# Allegro board com_v1_p3.brd (continued)
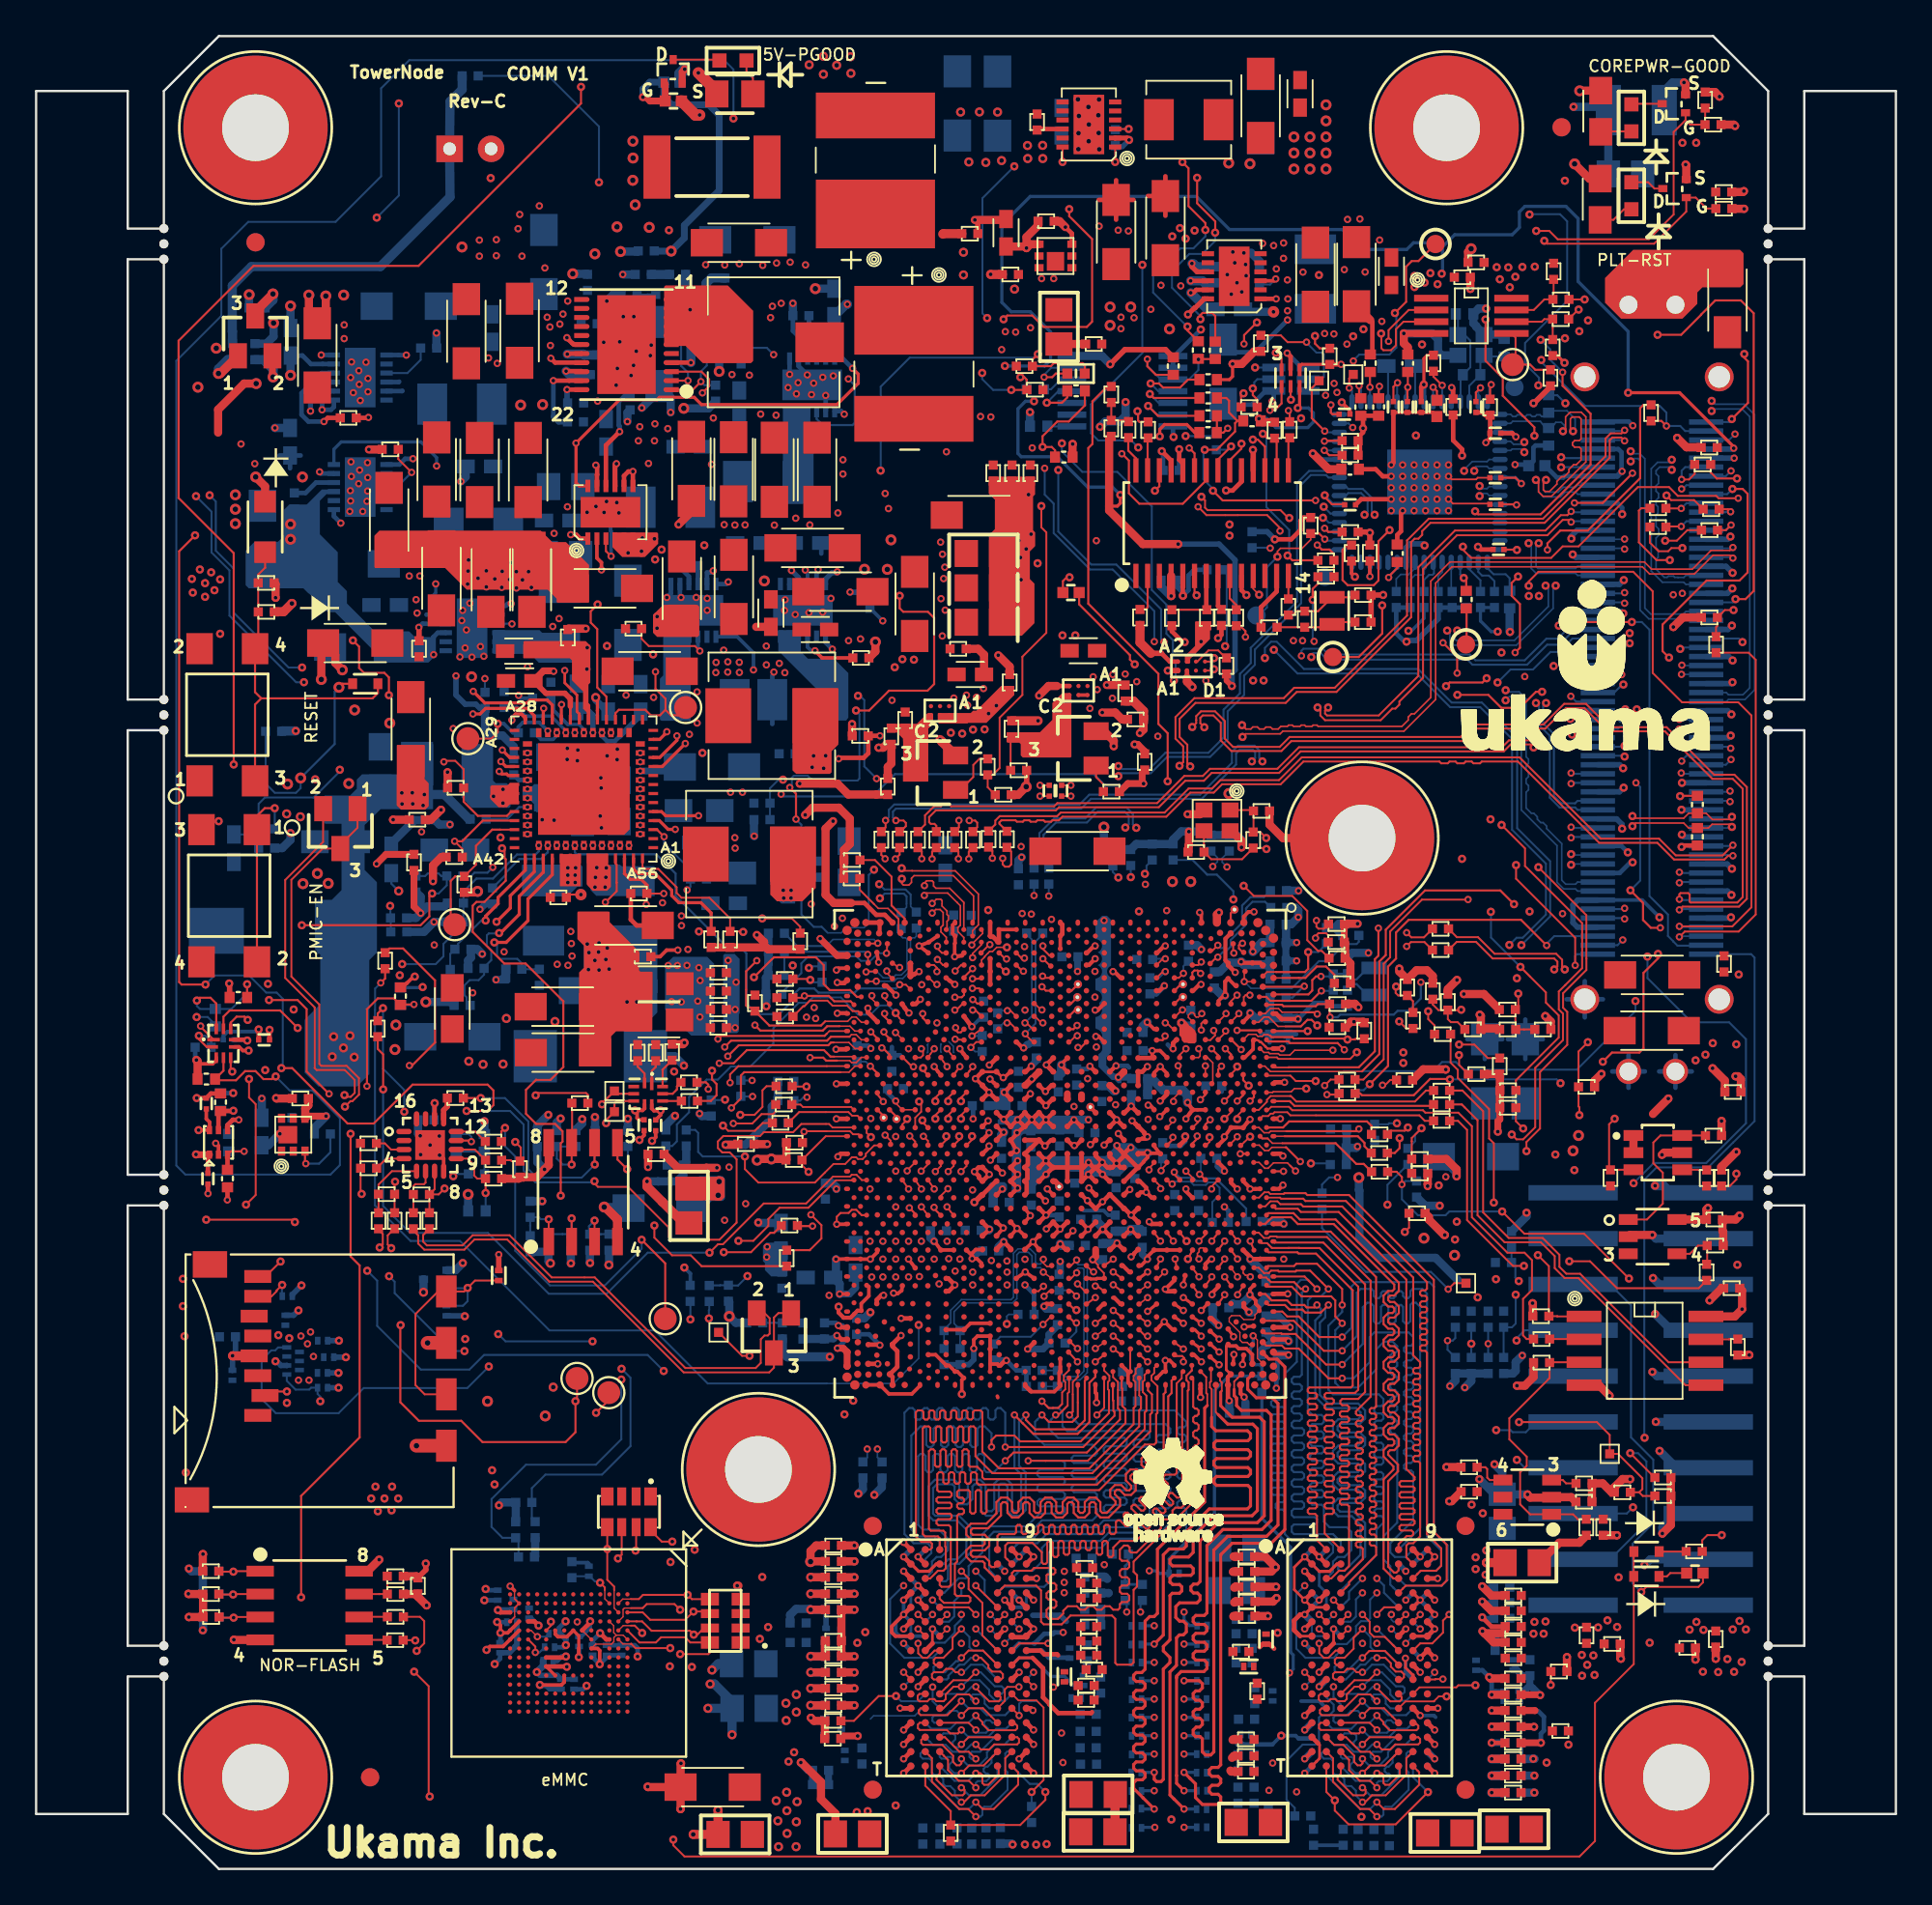
[diagram p0: board, top side]
## Nets (continued)
VBAT: C4A10.1(A[0]) CR1L1.3(C) R4A14.1(A[0]) R4A15.1(A[0]) U3C1.P22(RTC_VCC)
VCC_DIF: U2B1.1(DIF) U2B3.B24(GPIO5/VCC_DIF) U3L1.1(DIF)
VCC_DIO: U2B1.12(DIO) U2B3.A32(GPIO4/VCC_DIO) U3L1.12(DIO)
VCC_S: C2B2.1(A[0]) C2B3.1(A[0]) C2B4.1(A[0]) C2B5.1(A[0]) C2B34.1(A[0]) C2B36.1(A[0]) C2B42.1(A[0]) C2B43.1(A[0]) C2C2.1(A[0]) C2N17.1(A[0]) C2N18.1(A[0]) C2N19.1(A[0]) C2N44.1(A[0]) C2N45.1(A[0]) C3M32.2(A[0]) C3N3.2(A[0]) C3N18.1(A[0]) L3M1.2(INB) L3M2.2(INB) L3M6.2(INB) R2B31.2(B[0]) U3C1.AA27(CORE_VCC_S3_AA27) U3C1.AA29(CORE_VCC_S3_AA29) U3C1.AA30(CORE_VCC_S3_AA30) U3C1.AC27(CORE_VCC_S3_AC27) U3C1.AC29(CORE_VCC_S3_AC29) U3C1.AC30(CORE_VCC_S3_AC30) U3C1.AD27(CORE_VCC_S3_AD27) U3C1.AD29(CORE_VCC_S3_AD29) U3C1.AD30(CORE_VCC_S3_AD30) U3C1.AF27(CORE_VCC_S3_AF27) U3C1.AF29(CORE_VCC_S3_AF29) U3C1.AG27(CORE_VCC_S3_AG27) U3C1.AG29(CORE_VCC_S3_AG29) U3C1.AG30(CORE_VCC_S3_AG30) U3C1.P26(CORE_VCC_S3_P26) U3C1.P27(CORE_VCC_S3_P27) U3C1.U27(CORE_VCC_S3_U27) U3C1.U29(CORE_VCC_S3_U29) U3C1.V27(CORE_VCC_S3_V27) U3C1.V29(CORE_VCC_S3_V29) U3C1.V30(CORE_VCC_S3_V30) U3C1.Y27(CORE_VCC_S3_Y27) U3C1.Y29(CORE_VCC_S3_Y29) U3C1.Y30(CORE_VCC_S3_Y30)
VCCCOREE1VIDSIOGT_1P03_OBS_TP: TP3C2.1(A) U3C1.AA22(TP2_CORE_VCC_S3)
VCCRAMCPU0SI1GT_1P03_OBS_TP: TP3C1.1(A) U3C1.AF30(TP_CORE_V1P05_S4)
VDDQ: C1B4.1(A[0]) C2B19.1(A[0]) C2B49.2(B[0]) C2N27.1(A[0]) C2N28.1(A[0]) C2N32.1(A[0]) C2N33.1(A[0]) C2N36.1(A[0]) C2N37.1(A[0]) C2N39.1(A[0]) C2P3.1(A[0]) C3M12.1(A[0]) C3N27.1(A[0]) C3N30.1(A[0]) C3N31.1(A[0]) C4M6.2(B[0]) C4M10.2(B[0]) C164.2 C165.2 C167.1 C168.1 C169.1 C170.1 C171.1 C172.1 C175.1 C176.1 C177.1 C180.1 C181.2 C182.1 C183.1 C184.1 C185.1 C186.1 C188.1 C189.1 C191.1 C202.2 C203.2 C208.1 C209.1 C210.1 C211.1 C212.1 C213.1 C220.1 C221.1 C222.1 C223.1 C224.2 C228.1 C230.1 C231.1 C232.1 C233.1 C234.1 C235.1 C236.1 C243.2 C244.2 C248.1 C249.1 C250.1 C252.1 C253.1 C256.1 C257.1 C258.1 C259.1 C262.1 C264.2 C265.1 C266.1 C267.1 C268.1 C269.1 C270.1 C271.1 C279.2 C280.2 C281.1 C282.1 C283.1 C284.1 C285.1 C286.1 C292.1 C293.1 C294.1 C295.1 C296.1 C297.1 C301.2 C308.1 C309.1 C310.1 C311.1 C313.1 C314.1 C315.1 L3M5.2(INB) L4M2.1(INB) R3N26.2(B[0]) R4M9.2(B[0]) R269.1 R270.2 R297.1 R299.2 R351.2 R352.1 R422.1 R424.2 R480.1 R482.2 R542.2 R547.1 R615.1 R617.2 R639.2 R641.1 U2B3.B18(VTT_VIN) U3C1.A48(DRAM_VDD_S4_A48) U3C1.AD38(DRAM_VDD_S4_AD38) U3C1.AF38(DRAM_VDD_S4_AF38) U3C1.AK38(DRAM_VDD_S4_AK38) U3C1.AM38(DRAM_VDD_S4_AM38) U3C1.AV41(DRAM_VDD_S4_AV41) U3C1.AV42(DRAM_VDD_S4_AV42) U3C1.BB46(DRAM_VDD_S4_BB46) U3C1.BD49(DRAM_VDD_S4_BD49) U3C1.BD52(DRAM_VDD_S4_BD52) U3C1.BD53(DRAM_VDD_S4_BD53) U3C1.BF44(DRAM_VDD_S4_BF44) U3C1.BG51(DRAM_VDD_S4_BG51) U3C1.BJ48(DRAM_VDD_S4_BJ48) U3C1.C51(DRAM_VDD_S4_C51) U3C1.D44(DRAM_VDD_S4_D44) U3C1.F49(DRAM_VDD_S4_F49) U3C1.F52(DRAM_VDD_S4_F52) U3C1.F53(DRAM_VDD_S4_F53) U3C1.H46(DRAM_VDD_S4_H46) U3C1.M41(DRAM_VDD_S4_M41) U3C1.M42(DRAM_VDD_S4_M42) U3C1.V38(DRAM_VDD_S4_V38) U3C1.Y38(DRAM_VDD_S4_Y38) U24.A1(VDDQ1) U24.A8(VDDQ6) U24.B2(VDD1) U24.C1(VDDQ2) U24.C9(VDDQ7) U24.D2(VDDQ3) U24.D9(VDD5) U24.E9(VDDQ8) U24.F1(VDDQ4) U24.G7(VDD6) U24.H2(VDDQ5) U24.H9(VDDQ9) U24.K2(VDD2) U24.K8(VDD7) U24.N1(VDD3) U24.N9(VDD8) U24.R1(VDD4) U24.R9(VDD9) U27.A1(VDDQ1) U27.A8(VDDQ6) U27.B2(VDD1) U27.C1(VDDQ2) U27.C9(VDDQ7) U27.D2(VDDQ3) U27.D9(VDD5) U27.E9(VDDQ8) U27.F1(VDDQ4) U27.G7(VDD6) U27.H2(VDDQ5) U27.H9(VDDQ9) U27.K2(VDD2) U27.K8(VDD7) U27.N1(VDD3) U27.N9(VDD8) U27.R1(VDD4) U27.R9(VDD9) U30.A1(VDDQ1) U30.A8(VDDQ6) U30.B2(VDD1) U30.C1(VDDQ2) U30.C9(VDDQ7) U30.D2(VDDQ3) U30.D9(VDD5) U30.E9(VDDQ8) U30.F1(VDDQ4) U30.G7(VDD6) U30.H2(VDDQ5) U30.H9(VDDQ9) U30.K2(VDD2) U30.K8(VDD7) U30.N1(VDD3) U30.N9(VDD8) U30.R1(VDD4) U30.R9(VDD9) U37.A1(VDDQ1) U37.A8(VDDQ6) U37.B2(VDD1) U37.C1(VDDQ2) U37.C9(VDDQ7) U37.D2(VDDQ3) U37.D9(VDD5) U37.E9(VDDQ8) U37.F1(VDDQ4) U37.G7(VDD6) U37.H2(VDDQ5) U37.H9(VDDQ9) U37.K2(VDD2) U37.K8(VDD7) U37.N1(VDD3) U37.N9(VDD8) U37.R1(VDD4) U37.R9(VDD9)
VDDQ_DIF: U2B3.B26(GPIO1/VDDQ_DIF) U3M2.1(DIF)
VDDQ_DIO: U2B3.A34(GPIO0/VDDQ_DIO) U3M2.12(DIO)
ADT_THERMTRIP: R4M14.2(B[0]) R4M17.1(A[0]) R11275.2 R11375.2 U2B3.B34(THERMTRIP)
BAT_D: CR1L1.1(A2) R1L1.2(B[0])
CB_I2C_SCL_3P3: J20.35 R1B30.2(B[0]) R622.1 R625.2 R11374.2 TP138.1(A) U304.6(SCL)
CB_I2C_SDA_3P3: J20.34 R1B29.2(B[0]) R623.1 R626.2 R11256.2 TP137.1(A) U304.5(SDA)
DDI1_HPD: R1A14.2(B[0]) R1A15.1(A[0]) U3C1.K30(DDI1_HPD)
DDR3_CMDPU: R3N30.1(A[0]) U3C1.AD44(DRAM_RCOMP[0])
DDR3_DQPU: R2N14.1(A[0]) U3C1.AF45(DRAM_RCOMP[1])
DDR3_DRAM_PWROK: C2N31.1(A[0]) R1P29.2(B[0]) R4M12.1(A[0]) U3C1.AD42(DRAM_VDD_S4_PWROK)
DDR3_MON1N: R3N27.2(B[0]) R3N29.1(A[0]) U3C1.AF41(RESERVED_AF41)
DDR3_MON1P: R3N27.1(A[0]) R3N28.1(A[0]) U3C1.AF40(RESERVED_AF40)
DDR3_MON2N: R2N13.2(B[0]) R2N16.1(A[0]) U3C1.AD41(RESERVED_AD41)
DDR3_MON2P: R2N13.1(A[0]) R2N15.1(A[0]) U3C1.AD40(RESERVED_AD40)
DDR3_ODTPU: R2N12.1(A[0]) U3C1.AD45(DRAM_RCOMP[2])
DDR3_REFN: R2C25.1(A[0]) U3C1.AH42(ICLK_DRAM_TERM[1])
DDR3_REFP: R2C26.1(A[0]) U3C1.AF42(ICLK_DRAM_TERM[0])
DDR3_VCCA_PWROK: R1P28.2(B[0]) U2B3.B31(VCCAPWROK) U3C1.AB42(DRAM_CORE_PWROK)
DDR3_VREF: C2N34.1(A[0]) R3N24.1(A[0]) U3C1.AF44(DRAM_VREF)
DEV_OFF_N: R2M54.2(B[0]) U2M2.28(DEV_OFF_N)
DONE_SIGNAL: J20.118 R10375.1(A[0])
ETH_RESET: R2M26.2(B[0]) R2M60.2(B[0]) R2M61.2(B[0]) U2M2.17(PE_RST_N)
FPGA_CFG_INIT_B_R: J20.36 R2A20.2(B[0])
FPGA_SOC_IO_1_1P8: J20.1 U3C1.BD12(GPIO_S0_SC[55])
FPGA_SOC_IO_2_1P8: J20.2 R2M60.1(A[0]) R11501.2(B[0])
FPGA_SOC_IO_3_1P8: J20.62 U3C1.BF14(GPIO_S0_SC[59])
FPGA_SOC_IO_4_1P8: R2A24.1(A[0]) U3C1.BD16(GPIO_S0_SC[60])
FPGA_SOC_IO_5_1P8: J20.3 R2A23.2(B[0]) R11502.2
FPGA_SOC_IO_6_1P8: J20.61 R2A22.2(B[0])
GPIO9_VDDSEL: R10806.1(A[0]) U2B3.B14(GPIO9/PMICDBG)
HDA_RCOMP: R3N16.1(A[0]) U3C1.BF20(HDA_LPE_RCOMP)
HDMI2_SMB_SOC_DAT: R1A2.2(B[0]) R1A9.1(A[0]) U3C1.P30(DDI1_DDCDATA)
HDMI_CLK_DN: J20.99 U3C1.AP2(DDI0_TXN[3])
HDMI_CLK_DP: J20.98 U3C1.AP3(DDI0_TXP[3])
HDMI_DATA0_DN: J20.93 U3C1.AR1(DDI0_TXN[2])
HDMI_DATA0_DP: J20.92 U3C1.AR3(DDI0_TXP[2])
HDMI_DATA1_DN: J20.44 U3C1.AT3(DDI0_TXN[1])
HDMI_DATA1_DP: J20.43 U3C1.AT2(DDI0_TXP[1])
HDMI_DATA2_DN: J20.47 U3C1.AV2(DDI0_TXN[0])
HDMI_DATA2_DP: J20.46 U3C1.AV3(DDI0_TXP[0])
HDMI_SMB_SOC_CLK: J20.96 U3C1.C28(DDI0_DDCCLK)
HDMI_SMB_SOC_DAT: J20.95 R1A1.2(B[0]) R1A8.1(A[0]) U3C1.C26(DDI0_DDCDATA)
I2C_CB_INT_3P3: J20.114 R618.2 R620.1
I2C_MASTER_SEL_1P8: R2A21.2(B[0]) U9004.9(A2)
I2C_MASTER_SEL_3P3: J20.31 R619.2 R11506.2 U9004.4(B2)
I2C_MB_INT_3P3: J20.113 U9004.5(B1)
ICLKICOMP: R2M34.1(A[0]) U3C1.AD14(ICLK_ICOMP)
ICLKRCOMP: R2M32.1(A[0]) U3C1.AD13(ICLK_RCOMP)
INVEN_EEPROM_WP: R3B19.1(A[0]) R11221.1(A[0]) R11222.2(B[0]) R11493.2 R11495.1 TP139.1(A) U304.7(WP) U9005.3(A)
JTAG_SYSTEM_RESET_N_SW: J3321.15 R11487.1(A[0])
L_JTAG_DEBUGGER_PRDY: R11021.1(A[0]) TP3B7.1(A)
L_JTAG_DEBUGGER_PREQ: R11022.1(A[0]) R11023.2(B[0]) R11024.1(A[0]) TP3B8.1(A)
LAN_LED0: J20.119 R2A24.2(B[0]) U2M2.31(LED0)
LAN_LED1: TP3B9.1(ONE) U2M2.30(LED1)
LAN_LED2: TP3B10.1(ONE) U2M2.33(LED2)
LAN_NC_SI_ARB_IN: R2M46.2(B[0]) U2M2.43(NC_SI_ARB_IN)
LAN_NC_SI_ARB_OUT: R2M37.2(B[0]) U2M2.44(NC_SI_ARB_OUT)
LAN_NC_SI_CLK_IN: R2M24.1(A[0]) U2M2.2(NC_SI_CLK_IN)
LAN_NC_SI_CRS_DV: R2M30.1(A[0]) U2M2.3(NC_SI_CRS_DV)
LAN_NC_SI_RXD0: R2M57.2(B[0]) U2M2.6(NC_SI_RXD0)
LAN_NC_SI_RXD1: R2M47.2(B[0]) U2M2.5(NC_SI_RXD1)
LAN_NC_SI_TX_EN: R2M58.1(A[0]) U2M2.7(NC_SI_TX_EN)
LAN_NC_SI_TXD0: R2M56.2(B[0]) U2M2.9(NC_SI_TXD0)
LAN_NC_SI_TXD1: R2M28.2(B[0]) U2M2.8(NC_SI_TXD1)
LAN_PCIE_CLKREQ1B: R2N2.2(B[0]) R3B9.1(A[0]) R3B11.1(A[0]) U3C1.BD7(PCIE_CLKREQ1_N)
LAN_XTALIN: C2M11.2(B[0]) R2M29.2(B[0]) U2M2.46(XTAL1) Y2M3.1(A)
LAN_XTALOUT: C2M23.2(B[0]) R2M29.1(A[0]) U2M2.45(XTAL2) Y2M3.3(D)
M_A_A0: R11247.1 U3C1.K45(DRAM0_MA[0]) U24.N3(A0) U27.N3(A0) U30.N3(A0) U37.N3(A0)
M_A_A1: R11238.1 U3C1.H47(DRAM0_MA[1]) U24.P7(A1) U27.P7(A1) U30.P7(A1) U37.P7(A1)
M_A_A2: R11245.1 U3C1.L41(DRAM0_MA[2]) U24.P3(A2) U27.P3(A2) U30.P3(A2) U37.P3(A2)
M_A_A3: R11246.1 U3C1.H44(DRAM0_MA[3]) U24.N2(A3) U27.N2(A3) U30.N2(A3) U37.N2(A3)
M_A_A4: R11235.1 U3C1.H50(DRAM0_MA[4]) U24.P8(A4) U27.P8(A4) U30.P8(A4) U37.P8(A4)
M_A_A5: R11257.1 U3C1.G53(DRAM0_MA[5]) U24.P2(A5) U27.P2(A5) U30.P2(A5) U37.P2(A5)
M_A_A6: R11233.1 U3C1.H49(DRAM0_MA[6]) U24.R8(A6) U27.R8(A6) U30.R8(A6) U37.R8(A6)
M_A_A7: R11255.1 U3C1.D50(DRAM0_MA[7]) U24.R2(A7) U27.R2(A7) U30.R2(A7) U37.R2(A7)
M_A_A8: R11234.1 U3C1.G52(DRAM0_MA[8]) U24.T8(A8) U27.T8(A8) U30.T8(A8) U37.T8(A8)
M_A_A9: R11244.1 U3C1.E52(DRAM0_MA[9]) U24.R3(A9) U27.R3(A9) U30.R3(A9) U37.R3(A9)
M_A_A10: R11241.1 U3C1.K48(DRAM0_MA[10]) U24.L7(A10/AP) U27.L7(A10/AP) U30.L7(A10/AP) U37.L7(A10/AP)
M_A_A11: R11237.1 U3C1.E51(DRAM0_MA[11]) U24.R7(A11) U27.R7(A11) U30.R7(A11) U37.R7(A11)
M_A_A12: R11243.1 U3C1.F47(DRAM0_MA[12]) U24.N7(A12/BCN) U27.N7(A12/BCN) U30.N7(A12/BCN) U37.N7(A12/BCN)
M_A_A13: R11254.1 U3C1.J51(DRAM0_MA[13]) U24.T3(A13) U27.T3(A13) U30.T3(A13) U37.T3(A13)
M_A_A14: R11236.1 U3C1.B49(DRAM0_MA[14]) U24.T7(A14) U27.T7(A14) U30.M7(NC5) U30.T7(A14) U37.T7(A14)
M_A_A15: R384.2 R11242.1 U3C1.B50(DRAM0_MA[15]) U24.M7(NC5) U37.M7(NC5)
M_A_BS0: R11249.1 U3C1.K47(DRAM0_BS[0]) U24.M2(BA0) U27.M2(BA0) U30.M2(BA0) U37.M2(BA0)
M_A_BS1: R11239.1 U3C1.K44(DRAM0_BS[1]) U24.N8(BA1) U27.N8(BA1) U30.N8(BA1) U37.N8(BA1)
M_A_BS2: R11248.1 U3C1.D52(DRAM0_BS[2]) U24.M3(BA2) U27.M3(BA2) U30.M3(BA2) U37.M3(BA2)
M_A_CAS_N: R11251.1 U3C1.M44(DRAM0_CAS_N) U24.K3(CASN) U27.K3(CASN) U30.K3(CASN) U37.K3(CASN)
M_A_CK_DDR0_N: R11379.1 U3C1.M48(DRAM0_CKN[0]) U24.K7(CKN) U27.K7(CKN) U30.K7(CKN) U37.K7(CKN)
M_A_CK_DDR0_P: R11380.1 U3C1.M50(DRAM0_CKP[0]) U24.J7(CK) U27.J7(CK) U30.J7(CK) U37.J7(CK)
M_A_CKE0: R11252.1 U3C1.C47(DRAM0_CKE[0]) U24.K9(CKE) U27.K9(CKE) U30.K9(CKE) U37.K9(CKE)
M_A_CS0_N: R11232.1 U3C1.P44(DRAM0_CS0_N) U24.L2(CSN) U27.L2(CSN) U30.L2(CSN) U37.L2(CSN)
M_A_DM0: U3C1.G36(DRAM0_DM[0]) U27.E7(DML)
M_A_DM1: U3C1.B36(DRAM0_DM[1]) U27.D3(DMU)
M_A_DM2: U3C1.F38(DRAM0_DM[2]) U24.E7(DML)
M_A_DM3: U3C1.B42(DRAM0_DM[3]) U24.D3(DMU)
M_A_DM4: U3C1.P51(DRAM0_DM[4]) U37.D3(DMU)
M_A_DM5: U3C1.V42(DRAM0_DM[5]) U37.E7(DML)
M_A_DM6: U3C1.Y50(DRAM0_DM[6]) U30.E7(DML)
M_A_DM7: U3C1.Y52(DRAM0_DM[7]) U30.D3(DMU)
M_A_DQ0: U3C1.M36(DRAM0_DQ[0]) U27.E3(DQL0)
M_A_DQ1: U3C1.J36(DRAM0_DQ[1]) U27.F7(DQL1)
M_A_DQ2: U3C1.P40(DRAM0_DQ[2]) U27.F2(DQL2)
M_A_DQ3: U3C1.M40(DRAM0_DQ[3]) U27.F8(DQL3)
M_A_DQ4: U3C1.P36(DRAM0_DQ[4]) U27.H3(DQL4)
M_A_DQ5: U3C1.N36(DRAM0_DQ[5]) U27.H8(DQL5)
M_A_DQ6: U3C1.K40(DRAM0_DQ[6]) U27.G2(DQL6)
M_A_DQ7: U3C1.K42(DRAM0_DQ[7]) U27.H7(DQL7)
M_A_DQ8: U3C1.B32(DRAM0_DQ[8]) U27.C8(DQU2)
M_A_DQ9: U3C1.C32(DRAM0_DQ[9]) U27.D7(DQU0)
M_A_DQ10: U3C1.C36(DRAM0_DQ[10]) U27.C3(DQU1)
M_A_DQ11: U3C1.A37(DRAM0_DQ[11]) U27.C2(DQU3)
M_A_DQ12: U3C1.C33(DRAM0_DQ[12]) U27.B8(DQU6)
M_A_DQ13: U3C1.A33(DRAM0_DQ[13]) U27.A7(DQU4)
M_A_DQ14: U3C1.C37(DRAM0_DQ[14]) U27.A3(DQU7)
M_A_DQ15: U3C1.B38(DRAM0_DQ[15]) U27.A2(DQU5)
M_A_DQ16: U3C1.F36(DRAM0_DQ[16]) U24.E3(DQL0)
M_A_DQ17: U3C1.G38(DRAM0_DQ[17]) U24.F7(DQL1)
M_A_DQ18: U3C1.F42(DRAM0_DQ[18]) U24.F2(DQL2)
M_A_DQ19: U3C1.J42(DRAM0_DQ[19]) U24.F8(DQL3)
M_A_DQ20: U3C1.G40(DRAM0_DQ[20]) U24.H3(DQL4)
M_A_DQ21: U3C1.C38(DRAM0_DQ[21]) U24.H8(DQL5)
M_A_DQ22: U3C1.G44(DRAM0_DQ[22]) U24.G2(DQL6)
M_A_DQ23: U3C1.D42(DRAM0_DQ[23]) U24.H7(DQL7)
M_A_DQ24: U3C1.A41(DRAM0_DQ[24]) U24.B8(DQU6)
M_A_DQ25: U3C1.C41(DRAM0_DQ[25]) U24.A7(DQU4)
M_A_DQ26: U3C1.A45(DRAM0_DQ[26]) U24.C3(DQU1)
M_A_DQ27: U3C1.B46(DRAM0_DQ[27]) U24.C2(DQU3)
M_A_DQ28: U3C1.C40(DRAM0_DQ[28]) U24.C8(DQU2)
M_A_DQ29: U3C1.B40(DRAM0_DQ[29]) U24.D7(DQU0)
M_A_DQ30: U3C1.B48(DRAM0_DQ[30]) U24.A2(DQU5)
M_A_DQ31: U3C1.B47(DRAM0_DQ[31]) U24.A3(DQU7)
M_A_DQ32: U3C1.K52(DRAM0_DQ[32]) U37.D7(DQU0)
M_A_DQ33: U3C1.K51(DRAM0_DQ[33]) U37.C8(DQU2)
M_A_DQ34: U3C1.T52(DRAM0_DQ[34]) U37.A3(DQU7)
M_A_DQ35: U3C1.T51(DRAM0_DQ[35]) U37.A2(DQU5)
M_A_DQ36: U3C1.L51(DRAM0_DQ[36]) U37.A7(DQU4)
M_A_DQ37: U3C1.L53(DRAM0_DQ[37]) U37.B8(DQU6)
M_A_DQ38: U3C1.R51(DRAM0_DQ[38]) U37.C2(DQU3)
M_A_DQ39: U3C1.R53(DRAM0_DQ[39]) U37.C3(DQU1)
M_A_DQ40: U3C1.T47(DRAM0_DQ[40]) U37.E3(DQL0)
M_A_DQ41: U3C1.T45(DRAM0_DQ[41]) U37.F7(DQL1)
M_A_DQ42: U3C1.Y40(DRAM0_DQ[42]) U37.F2(DQL2)
M_A_DQ43: U3C1.V41(DRAM0_DQ[43]) U37.F8(DQL3)
M_A_DQ44: U3C1.T48(DRAM0_DQ[44]) U37.H3(DQL4)
M_A_DQ45: U3C1.T50(DRAM0_DQ[45]) U37.H8(DQL5)
M_A_DQ46: U3C1.Y42(DRAM0_DQ[46]) U37.G2(DQL6)
M_A_DQ47: U3C1.AB40(DRAM0_DQ[47]) U37.H7(DQL7)
M_A_DQ48: U3C1.V45(DRAM0_DQ[48]) U30.E3(DQL0)
M_A_DQ49: U3C1.V47(DRAM0_DQ[49]) U30.F7(DQL1)
M_A_DQ50: U3C1.AD48(DRAM0_DQ[50]) U30.F2(DQL2)
M_A_DQ51: U3C1.AD50(DRAM0_DQ[51]) U30.F8(DQL3)
M_A_DQ52: U3C1.V48(DRAM0_DQ[52]) U30.H3(DQL4)
M_A_DQ53: U3C1.V50(DRAM0_DQ[53]) U30.H8(DQL5)
M_A_DQ54: U3C1.AB44(DRAM0_DQ[54]) U30.G2(DQL6)
M_A_DQ55: U3C1.Y45(DRAM0_DQ[55]) U30.H7(DQL7)
M_A_DQ56: U3C1.V52(DRAM0_DQ[56]) U30.D7(DQU0)
M_A_DQ57: U3C1.W51(DRAM0_DQ[57]) U30.C8(DQU2)
M_A_DQ58: U3C1.AC53(DRAM0_DQ[58]) U30.C3(DQU1)
M_A_DQ59: U3C1.AC51(DRAM0_DQ[59]) U30.C2(DQU3)
M_A_DQ60: U3C1.W53(DRAM0_DQ[60]) U30.B8(DQU6)
M_A_DQ61: U3C1.Y51(DRAM0_DQ[61]) U30.A7(DQU4)
M_A_DQ62: U3C1.AD52(DRAM0_DQ[62]) U30.A3(DQU7)
M_A_DQ63: U3C1.AD51(DRAM0_DQ[63]) U30.A2(DQU5)
M_A_DQS_N0: U3C1.K38(DRAM0_DQSN[0]) U27.G3(DQSLN)
M_A_DQS_N1: U3C1.B34(DRAM0_DQSN[1]) U27.B7(DQSUN)
M_A_DQS_N2: U3C1.F40(DRAM0_DQSN[2]) U24.G3(DQSLN)
M_A_DQS_N3: U3C1.C43(DRAM0_DQSN[3]) U24.B7(DQSUN)
M_A_DQS_N4: U3C1.M52(DRAM0_DQSN[4]) U37.B7(DQSUN)
M_A_DQS_N5: U3C1.T44(DRAM0_DQSN[5]) U37.G3(DQSLN)
M_A_DQS_N6: U3C1.Y48(DRAM0_DQSN[6]) U30.G3(DQSLN)
M_A_DQS_N7: U3C1.AA51(DRAM0_DQSN[7]) U30.B7(DQSUN)
M_A_DQS_P0: U3C1.J38(DRAM0_DQSP[0]) U27.F3(DQSL)
M_A_DQS_P1: U3C1.C35(DRAM0_DQSP[1]) U27.C7(DQSU)
M_A_DQS_P2: U3C1.D40(DRAM0_DQSP[2]) U24.F3(DQSL)
M_A_DQS_P3: U3C1.B44(DRAM0_DQSP[3]) U24.C7(DQSU)
M_A_DQS_P4: U3C1.N53(DRAM0_DQSP[4]) U37.C7(DQSU)
M_A_DQS_P5: U3C1.T42(DRAM0_DQSP[5]) U37.F3(DQSL)
M_A_DQS_P6: U3C1.Y47(DRAM0_DQSP[6]) U30.F3(DQSL)
M_A_DQS_P7: U3C1.AB52(DRAM0_DQSP[7]) U30.C7(DQSU)
M_A_ODT0: R11240.1 U3C1.T41(DRAM0_ODT[0]) U24.K1(ODT) U27.K1(ODT) U30.K1(ODT) U37.K1(ODT)
M_A_RAS_N: R11250.1 U3C1.M45(DRAM0_RAS_N) U24.J3(RASN) U27.J3(RASN) U30.J3(RASN) U37.J3(RASN)
M_A_RST_N: R658.2 U3C1.P41(DRAM0_DRAMRST_N) U24.T2(RESETN) U27.T2(RESETN) U30.T2(RESETN) U37.T2(RESETN)
M_A_WE_N: R11253.1 U3C1.H51(DRAM0_WE_N) U24.L3(WEN) U27.L3(WEN) U30.L3(WEN) U37.L3(WEN)
MMC_CLK: R36.2 U3.M6(CLK) U3C1.AT22(MMC1_CLK)
MMC_CMD: R39.2 U3.M5(CMD) U3C1.AV26(MMC1_CMD)
MMC_D0: NR5.6(N6) U3.A3(DATA0) U3C1.AV20(MMC1_D[0])
MMC_D1: NR5.7(N7) U3.A4(DATA1) U3C1.AU22(MMC1_D[1])
MMC_D2: NR5.8(N8) U3.A5(DATA2) U3C1.AV22(MMC1_D[2])
MMC_D3: NR5.5(N5) U3.B2(DATA3) U3C1.AT20(MMC1_D[3])
MMC_D4: NR4.5(N5) U3.B3(DATA4) U3C1.AY24(MMC1_D[4])
MMC_D5: NR4.6(N6) U3.B4(DATA5) U3C1.AU26(MMC1_D[5])
MMC_D6: NR4.7(N7) U3.B5(DATA6) U3C1.AT26(MMC1_D[6])
MMC_D7: NR4.8(N8) U3.B6(DATA7) U3C1.AU20(MMC1_D[7])
MMC_RST: R2N24.1(A[0]) R2N25.2(B[0]) U3.K5(NREST)
MODULE_SAFEBOOT_N: J20.115 R2A18.2(B[0])
PCIE0_CLKN: J20.58 U3C1.AF6(PCIE_CLKN[0])
PCIE0_CLKP: J20.59 U3C1.AF4(PCIE_CLKP[0])
PCIE0_RXN: J20.56 U3C1.AT13(PCIE_RXN[0])
PCIE0_RXP: J20.55 U3C1.AT14(PCIE_RXP[0])
PCIE0_TXN: C1999.2(B[0]) J20.5
PCIE0_TXP: C2000.2(B[0]) J20.6
PCIE1_CLKN: U2M2.25(PCIEN) U3C1.AF9(PCIE_CLKN[1])
PCIE1_CLKP: U2M2.26(PCIEP) U3C1.AF7(PCIE_CLKP[1])
PCIE1_RXN: C2M24.1(A[0]) U3C1.AT9(PCIE_RXN[1])
PCIE1_RXP: C2M9.1(A[0]) U3C1.AT10(PCIE_RXP[1])
PCIE1_TXN: C2B29.2(B[0]) U2M2.23(PE_RN)
PCIE1_TXP: C2B30.2(B[0]) U2M2.24(PE_RP)
PCIE2_CLKN: J20.66 U3C1.AK4(PCIE_CLKN[2])
PCIE2_CLKP: J20.67 U3C1.AK6(PCIE_CLKP[2])
PCIE2_RXN: J20.70 U3C1.AP10(PCIE_RXN[2])
PCIE2_RXP: J20.69 U3C1.AP12(PCIE_RXP[2])
PCIE2_TXN: C2B31.2(B[0]) J20.14
PCIE2_TXP: C2B32.2(B[0]) J20.15
PCIE3_CLKN: J20.17 U3C1.AM4(PCIE_CLKN[3])
PCIE3_CLKP: J20.18 U3C1.AM6(PCIE_CLKP[3])
PCIE3_RXN: J20.21 U3C1.AP7(PCIE_RXN[3])
PCIE3_RXP: J20.20 U3C1.AP9(PCIE_RXP[3])
PCIE3_TXN: C2156.2(B[0]) J20.72
PCIE3_TXNC: C2156.1(A[0]) U3C1.AP4(PCIE_TXN[3])
PCIE3_TXP: C2157.2(B[0]) J20.73
PCIE3_TXPC: C2157.1(A[0]) U3C1.AP6(PCIE_TXP[3])
PCU_RXD: J20.38 TP2C5.1(A) U7177.4(B2)
PCU_RXD_1P8: R11156.2(B[0]) U7177.9(A2)
PCU_TXD: J20.37 TP2C4.1(A) U7177.5(B1)
PCU_TXD_1P8: R11157.2(B[0]) U7177.8(A1)
PE_TN: C2M24.2(B[0]) U2M2.20(PE_TN)
PE_TP: C2M9.2(B[0]) U2M2.21(PE_TP)
PE_WAKE_N: R2M27.2(B[0]) U2M2.16(PE_WAKE_N)
PLTRST_3P3_N: J20.64 Q2N1.3(D2) R2M26.1(A[0]) R3C1.2(B[0]) U3A5.16(LRESET_N)
PMIC_EN: C2040.1(A[0]) R10809.2(B[0]) R11231.1(A[0]) TP130.1(A) U2B3.A18(GPIO10/UIBTN)
PMIC_PWRBTNIN: R1P17.2(B[0]) U2B3.B2(PWRBTNIN)
PMU_AC_PRESENT: R3C8.1(A[0]) U3C1.D20(PMC_ACPRESENT)
POWER_RECYCLE_H: J20.120 R3B23.2(B[0]) R11267.1(A[0])
POWER_RECYCLE_L: R11264.2(B[0]) U3C1.A13(GPIO_S5[9]) U9002.3(IN0)
RJ45_LED_STATUS: J20.112 R2A19.2(B[0])
RSET: R2M59.1(A[0]) U2M2.48(RSET)
SATA_LED_N: J20.29 U3C1.AY12(SATA_LED_N)
SATA_RXN0: J20.87 U3C1.AV16(SATA_RXN[0])
SATA_RXN1: J20.103 R2N18.1(A[0]) U3C1.BA16(SATA_RXN[1])
SATA_RXP0: J20.86 U3C1.AU16(SATA_RXP[0])
SATA_RXP1: J20.102 R2N19.1(A[0]) U3C1.AY16(SATA_RXP[1])
SATA_TXN0: C2153.1(A[0]) J20.90
SATA_TXN1: C2155.1(A[0]) J20.106
SATA_TXP0: C1833.1(A[0]) J20.89
SATA_TXP1: C2154.1(A[0]) J20.105
SD1_CD_V: CN1.9(B) CN1.10(A) D1.2 R2N26.1(A[0]) R185.2 R11261.1 U3C1.BC24(SD3_CD_N)
SD1_CLK_V: CN1.5(CLK) R21.1 U3C1.AY26(SD3_CLK) U11.4(CH3)
SD1_CMD_V: CN1.3(CMD) R10.1 U3C1.AV28(SD3_CMD) U11.5(CH4)
SD1_DATA0_V: CN1.7(DAT0) R20.1 U3C1.AT28(SD3_D[0])
SD1_DATA1_V: CN1.8(DAT1) R22.1 U3C1.BD26(SD3_D[1]) U11.1(CH1)
SD1_DATA2_V: CN1.1(DAT2) R12.1 U3C1.AU28(SD3_D[2]) U11.7(CH6)
SD1_DATA3_V: CN1.2(CD/DAT3) R11.1 U3C1.BA26(SD3_D[3]) U11.6(CH5)
SDR_POWER_MON: J20.63 R11262.1(A[0])
SIO_SPI_CLK: J20.111 R11260.2(B[0])
SIO_SPI_CS#: J20.108 R3B20.2(B[0])
SIO_SPI_MISO: J20.109 R3B21.2(B[0])
SIO_SPI_MOSI: J20.110 R11259.2(B[0])
SMB_3P3_CLK: R1361.2 R11133.2(B[0])
SMB_3P3_CLK_28098557: R2M25.2(B[0]) U2M2.34(SMB_CLK)
SMB_3P3_DAT: R1360.2 R11132.2(B[0])
SMB_3P3_DAT_28098555: R2M53.2(B[0]) U2M2.36(SMB_DATA)
SMB_ALERT_N: R2C1.2(B[0]) U3C1.BG11(PCU_SMB_ALERT_N)
SMB_SOC_CLK: R2B34.2(B[0]) U2A1.2(SCLA) U3C1.BH10(PCU_SMB_CLK)
SMB_SOC_DAT: R2B33.2(B[0]) U2A1.3(SDAA) U3C1.BG12(PCU_SMB_DATA)
SOC_COREPWROK: C3B33.1(A[0]) C2036.1(A[0]) Q137.G R10788.2(B[0]) U2B3.A53(COREPWROK) U3C1.B7(PMC_CORE_PWROK)
SOC_ETH_MDI0N: J20.8 U2M2.57(MDI_MINUS_0_SFP_I2C_DATA)
SOC_ETH_MDI0P: J20.9 U2M2.58(MDI_PLUS_0_NC)
SOC_ETH_MDI1N: J20.12 U2M2.54(MDI_MINUS_1_SRDS_SIG_DET)
SOC_ETH_MDI1P: J20.11 U2M2.55(MDI_PLUS_1_SFP_I2C_CLK)
SOC_ETH_MDI2N: J20.75 R11277.1(A[0]) U2M2.52(MDI_MINUS_2_SET_N)
SOC_ETH_MDI2P: J20.76 R11279.1(A[0]) U2M2.53(MDI_PLUS_2)
SOC_ETH_MDI3N: J20.53 R11278.1(A[0]) U2M2.49(MDI_MINUS_3_SERN)
SOC_ETH_MDI3P: J20.52 R11276.1(A[0]) U2M2.50(MDI_PLUS_3_SERP)
SOC_FLASH_CLK: R10762.2(B[0]) U4C1.6(CLK)
SOC_FLASH_CS0_N: R1N17.1(B[0]) R10765.2(B[0]) U4C1.1(CS_N)
SOC_FLASH_HOLD_N: R1N4.1(B[0]) U4C1.7(HOLD_N)
SOC_FLASH_MISO: R10764.2(B[0]) U4C1.2(DO)
SOC_FLASH_MOSI: R10763.2(B[0]) U4C1.5(DI)
SOC_FLASH_WP_N: R2M44.2(B[0]) R10805.2(B[0]) R11274.2(B[0]) U4C1.3(WP_N) U253.1(NRESET)
SOC_GP_SSP_2_FS: R1A6.2(B[0]) R1A11.1(A[0]) U3C1.BA30(LPE_I2S2_FRM)
SOC_GP_SSP_2_TXD: R1A3.2(B[0]) R1A10.1(A[0]) TP2C3.1(A) U3C1.BC30(LPE_I2S2_DATAOUT)
SOC_HDMI_DDSP_HPD: J20.30 U3C1.D27(DDI0_HPD)
SOC_HV_DDI2_DDC_SDA: R1A5.2(B[0]) R1A7.1(A[0]) U3C1.A29(RESERVED_A29)
SOC_I2C1_SCL_1P8: R1B32.2(B[0]) R11490.2 U3C1.BH24(SIO_I2C1_CLK)
SOC_I2C1_SDA_1P8: R1B31.2(B[0]) R627.2 U3C1.BG24(SIO_I2C1_DATA)
SOC_I2C2_SCL_1P8: J20.33 R1B24.2(B[0]) U3C1.BJ25(SIO_I2C2_CLK)
SOC_I2C2_SDA_1P8: J20.32 R1B23.2(B[0]) U3C1.BG25(SIO_I2C2_DATA)
SOC_I2C_CB_INT_1P8: U3C1.C16(GPIO_S5[5])
SOC_I2C_MB_INT_1P8: U3C1.C17(GPIO_S5[4]) U9004.8(A1)
SOC_I2C_SCL: R1B14.2(B[0]) R2C12.2(B[0]) U2B3.A39(I2C_CLK)
SOC_I2C_SDA: R1B8.2(B[0]) R2C9.2(B[0]) U2B3.A38(I2C_SDA)
SOC_ILB_SERIRQ: U3A6.3(IO_VL) U3C1.BG13(ILB_LPC_SERIRQ)
SOC_JTAG_TCK: J3321.9 R3C5.1(A[0]) U3C1.D14(TAP_TCK)
SOC_JTAG_TDI: J3321.5 U3C1.F12(TAP_TDI)
SOC_JTAG_TDO: J3321.13 U3C1.G16(TAP_TDO)
SOC_JTAG_TMS: J3321.7 U3C1.F14(TAP_TMS)
SOC_JTAG_TRST_N: J3321.3 R3B15.1(A[0]) U3C1.G12(TAP_TRST_N)
SOC_LPC_AD0: U3A5.26(LAD0) U3C1.BH16(ILB_LPC_AD[0])
SOC_LPC_AD1: U3A5.23(LAD1) U3C1.BJ17(ILB_LPC_AD[1])
SOC_LPC_AD2: U3A5.20(LAD2) U3C1.BJ13(ILB_LPC_AD[2])
SOC_LPC_AD3: U3A5.17(LAD3) U3C1.BG14(ILB_LPC_AD[3])
SOC_LPC_CLKOUT0: R3A19.1(A0) U3C1.BG15(ILB_LPC_CLK[0])
SOC_LPC_CLKRUNB: R10608.1(A[0]) U3C1.BG16(ILB_LPC_CLKRUN_N)
SOC_LPC_FRAME_N: U3A5.22(LFRAME_N) U3C1.BG17(ILB_LPC_FRAME_N)
SOC_MHSI_ACFLAG: R1A4.2(B[0]) R1A12.1(A[0]) U3C1.BC12(GPIO_S0_SC[56])
SOC_PCIE_CLKREQ0_B: R2N20.2(B[0]) U3C1.BG3(PCIE_CLKREQ0_N)
SOC_PCIE_CLKREQ2_B: R2N21.2(B[0]) R3A20.2(B[0]) U3C1.BG5(PCIE_CLKREQ2_N)
SOC_PCIE_CLKREQ3_B: R3M10.2(B[0]) U3C1.BE3(PCIE_CLKREQ3_N)
SOC_PCIE_CLKREQ4_B: R2B32.2(B[0]) R2N26.2(B[0]) U3C1.BD5(SD3_WP)
SOC_PLTRST_N: C2034.1(A[0]) Q2N1.2(G1) Q135.G R2N25.1(A[0]) R3M4.1(A[0]) R3M5.2(B[0]) R10378.2(B[0]) R10782.2(B[0]) U2B3.B1(PLTRST) U3C1.F20(PMC_PLTRST_N)
SOC_PMU_BATLOW_B: R3C19.1(A[0]) U3C1.K26(PMC_BATLOW_N)
SOC_PROCHOT_B: R1B19.2(B[0]) U2B3.B33(PROCHOT) U3C1.C24(PROCHOT_N)
SOC_PWRBTN_B: R2B4.2(B[0]) U2B3.B3(PWRBTN) U3C1.J26(PMC_PWRBTN_N)
SOC_RCOMP_SDMMC1: R3N15.1(A[0]) U3C1.AY18(MMC1_RCOMP)
SOC_RSMRST_B: C3C1.1(A[0]) R3B17.1(A[0]) R11155.2(B[0]) U2B3.A54(RSMRST) U3C1.B10(PMC_RSMRST_N)
SOC_RTEST_N: C4A11.1(A[0]) R4A13.1(A[0]) R4A15.2(B[0]) U3C1.C11(ILB_RTC_TEST_N)
SOC_SDMMC3_RCOMP: R3N20.2(B[0]) U3C1.BF26(SD3_RCOMP)
SOC_SLP_S0IX_B: R4M23.2(B[0]) R4M24.1(A[0]) U2B3.A44(SLP_S0IX) U3C1.F18(RESERVED_F18)
SOC_SLP_S3_B: R4M19.2(B[0]) R4M21.1(A[0]) U2B3.A45(SLP_S3) U3C1.D22(PMC_SLP_S3_N)
SOC_SLP_S4_B: R3M7.1(A[0]) R4M22.2(B[0]) U2B3.A46(SLP_S4) U3C1.F22(PMC_SLP_S4_N)
SOC_SPI_CLK: R10762.1(A[0]) U3C1.C22(PCU_SPI_CLK)
SOC_SPI_CS0_N: R10765.1(A[0]) U3C1.C23(PCU_SPI_CS0_N)
SOC_SPI_MISO: R10764.1(A[0]) U3C1.B22(PCU_SPI_MISO)
SOC_SPI_MOSI: R10763.1(A[0]) U3C1.A21(PCU_SPI_MOSI)
SOC_SRTCRST_N: C1L11.1(A[0]) R4A12.1(A[0]) R4A14.2(B[0]) U3C1.C12(ILB_RTC_RST_N)
SOC_SUSPWRDNACK: R3C18.2(B[0]) R4M18.2(B[0]) R4M20.1(A[0]) U2B3.A43(SUSPWRDNACK) U3C1.D26(PMC_SUSPWRDNACK)
SOC_SVID_ALERT_B: R2B25.2(B[0]) R3C10.2(B[0]) U2B3.A56(SVID_ALERT)
SOC_SVID_CLK: R2B27.2(B[0]) R3C16.2(B[0]) U2B3.B44(SVID_CLK)
SOC_SVID_DATA: R2B29.2(B[0]) R3C12.2(B[0]) U2B3.A55(SVID_DIO)
SOC_THERMTRIP: R2A25.2(B[0]) R11505.2 R11507.2
SOC_UART1_CTS: J20.83 R11165.2(B[0])
SOC_UART1_RTS: J20.84 R11166.2(B[0])
SOC_UART1_RX: J20.82 R10551.2(B[0])
SOC_UART1_TX: J20.81 R10550.2(B[0])
SOC_VCC_SENSE: R2B31.1(A[0]) U2B3.B40(VCC_FB) U3C1.P28(CORE_VCC_SENSE)
SOC_VCC_VNNSENSE: R2N5.1(A[0]) U2B3.B43(VCC_GSEN) U3C1.N28(CORE_VSS_SENSE)
SOC_VNN_SENSE: R2B22.1(A[0]) U2B3.B38(VNN_FB) U3C1.BB8(UNCORE_VNN_SENSE)
SOC_WAKE_N: R3C20.1(A[0]) U3C1.F26(PMC_WAKE_PCIE0_N)
SPRINGVILLE-1_RESET: R2M49.2(B[0]) U2M2.1(LAN_PWR_GOOD)
SUS_STAT_B: R2A13.2(B[0]) R2A17.2(B[0]) R10605.1(A[0])
SUS_STAT_B_R: R2A13.1(A[0]) U3C1.G18(PMC_SUS_STAT_N)
SW_SV1_JTAG_TDI: R2M52.1(A[0]) TP58.1(TP) U2M2.29(JTAG_TDI)
SYSTEM_RESET_N_SW: D10136.A D10147.A D10149.A R10388.2(B[0]) U3C1.BG9(PMC_RSTBTN_N)
TP_ MCSI_COMP: R2M31.1(A[0]) U3C1.P14(MCSI_RCOMP)
TP_EXTBGREF: TP3B5.1(A) U3C1.AD12(RESERVED_AD12)
TP_HFHPLLC: TP3B4.1(A) U3C1.AD10(RESERVED_AD10)
TP_SDMMC3_1P8_EN: TP2C1.1(A) U3C1.BF22(SD3_1P8EN)
TP_SDMMC3_PWR_EN_B: TP2C2.1(A) U3C1.BD22(SD3_PWREN_N)
TP_SFRANAC: TP3B3.1(A) U3C1.AD9(RESERVED_AD9)
TP_SFRANAD_NCTF: TP3B6.1(A) U3C1.F1(RESERVED_F1)
TP_USB3_ATB0_0: TP3B1.1(A) U3C1.M10(RESERVED_M10)
TP_USB3_ATB0_1: TP3B2.1(A) U3C1.M9(RESERVED_M9)
TPM_GPIO_0: U3A7.D1(SDA_A) U3C1.B14(GPIO_S5[6])
TPM_GPIO_2: U3A7.D2(SCL_A) U3C1.C15(GPIO_S5[7])
TPM_GPIO_3P3_0: U3A5.6(GPIO) U3A7.A1(SDA_B)
TPM_GPIO_3P3_2: R10606.1(A[0]) U3A7.A2(SCL_B)
TPM_ILB_SERIRQ: R2A16.1(A[0]) U3A6.4(IO_VCC)
TPM_TESTBI: R2A14.2(B[0]) R10607.1(A[0])
UNNAMED_3_RESN_I168_A: R3N24.2(B[0]) R3N25.1(A[0]) R3N26.1(A[0])
UNNAMED_5_BYTISOCR1P1_I176_DD_1: R3N8.2(B[0]) U3C1.AK12(DDI_RCOMP_P)
UNNAMED_5_BYTISOCR1P1_I176_DDIR: R3N8.1(A[0]) U3C1.AK13(DDI_RCOMP_N)
UNNAMED_5_BYTISOCR1P1_I176_RE_1: R2M35.1(A[0]) U3C1.AH14(RESERVED_AH14)
UNNAMED_5_BYTISOCR1P1_I176_RE_2: R2M33.1(A[0]) U3C1.AB14(RESERVED_AB14)
UNNAMED_5_BYTISOCR1P1_I176_RESE: R2M35.2(B[0]) U3C1.AH13(RESERVED_AH13)
UNNAMED_5_BYTISOCR1P1_I176_VG_1: R2B19.1(A[0]) U3C1.BC2(VGA_DDCDATA)
UNNAMED_5_BYTISOCR1P1_I176_VGAD: R2B15.1(A[0]) U3C1.BC1(VGA_DDCCLK)
UNNAMED_6_BYTISOCR1P1_I118_PC_1: C2B31.1(A[0]) U3C1.AT6(PCIE_TXN[2])
UNNAMED_6_BYTISOCR1P1_I118_PC_2: C2B29.1(A[0]) U3C1.AV4(PCIE_TXN[1])
UNNAMED_6_BYTISOCR1P1_I118_PC_3: C2B32.1(A[0]) U3C1.AT7(PCIE_TXP[2])
UNNAMED_6_BYTISOCR1P1_I118_PC_4: C2B30.1(A[0]) U3C1.AV6(PCIE_TXP[1])
UNNAMED_6_BYTISOCR1P1_I118_PC_5: R3N7.1(A[0]) U3C1.AP14(PCIE_RCOMP_P)
UNNAMED_6_BYTISOCR1P1_I118_PCIE: R3N7.2(B[0]) U3C1.AP13(PCIE_RCOMP_N)
UNNAMED_6_BYTISOCR1P1_I118_SA_1: R3N14.1(A[0]) U3C1.AT18(SATA_RCOMP_N)
UNNAMED_6_BYTISOCR1P1_I118_SATA: R3N14.2(B[0]) U3C1.AU18(SATA_RCOMP_P)
UNNAMED_7_BYTISOCR1P1_I121_LPCR: R3N6.2(B[0]) U3C1.BF18(LPC_RCOMP)
